# KiCad board keyboard.kicad_pcb (continued)
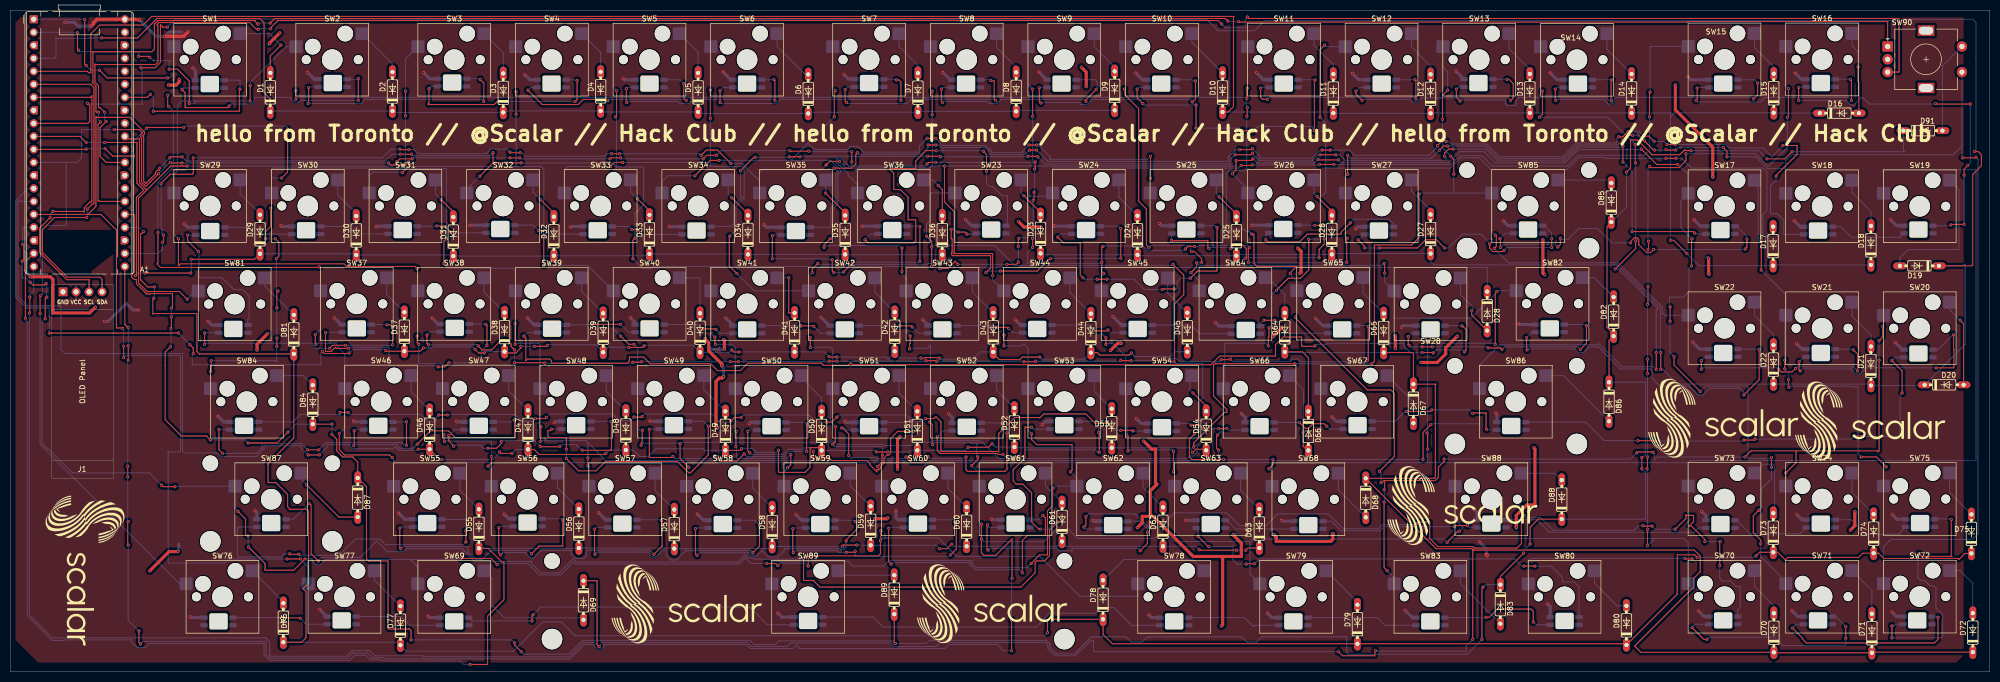
[diagram p0: board, top side]
## Routing (per net, layer and track width the routed paths; a pad name or vN(x,y) marks a point on that pad's centre or on a via; arc(x,y) is an arc through that point) (continued)
  Bottom w0.2: v1(318.43,41.82) 318.58,41.82 319.12,42.37 319.12,56.42 319.03,56.53 D86.1 ; v1(315.43,97.53) 315.43,90.73 D85.1 ; v1(295.33,23.12) 295.33,23.62 v1(296.62,24.93) ; v1(342.83,100.12) 341.23,101.72 v1(328.03,101.72) ; v1(347.73,101.53) 369.73,101.53 369.48,101.78 D91.1 ; v1(62.79,48.37) 62.79,46.34 v1(62.77,46.34) ; v1(78.22,6.22) 97.82,6.22 v1(98.43,5.62) ; v1(46.43,44.66) 45.82,45.26 v1(39.05,45.26) ; v1(318.43,39.62) 319.12,38.93 319.12,29.82 319.09,29.79 D88.1 ; v1(287.23,6.32) 284.33,3.43 261.12,3.43 260.83,3.72 260.83,6.82 244.22,6.82 244.22,6.78 243.27,5.82 241.32,5.82 240.33,6.82 221.92,6.82 220.92,5.82 218.72,5.82 217.73,6.82 211.02,6.82 207.72,3.53 204.12,3.53 202.92,4.72 202.92,5.42 202.22,6.12 202.01,6.12 202.01,6.12 179.42,6.12 178.82,5.53 v1(172.72,5.53) 172.22,6.03 150.03,6.03 149.32,5.32 145.12,5.32 144.32,6.12 111.72,6.12 109.03,3.43 100.22,3.43 v1(99.72,3.93) ; v1(31.45,69.29) 31.48,69.32 v1(31.48,71) ; v1(31.27,63.44) 31.36,63.53 v1(31.36,67.03) ; v1(287.43,16.53) 287.91,17.01 D83.1 ; D84.1 55.73,48.33 v1(54.18,46.78)
S2: length 18
  Bottom w0.2: D91.2 377.1,118.25 SW90.S2
SCL1: length 64.5
  Top w0.2: A1.7 15.63,112.14 15.92,112.42 15.92,91.92 15.79,91.79 15.79,91.66 15.51,91.66 14.43,90.57 14.43,89.72 14.27,89.88 v1(8.33,89.88) ; v1(7.79,88.66) 5.71,86.58 5.71,81.85 11.04,76.53 15.43,76.53 15.38,76.48 J1.3
  Bottom w0.2: v1(7.79,88.66) 7.79,89.34 v1(8.33,89.88)
SDA1: length 68.5
  Top w0.2: A1.6 15.68,114.67 16.32,114.03 16.32,91.33 16.02,91.33 v1(15.02,90.33) ; J1.4 17.92,76.63 17.52,77.03 11.11,77.03 6.27,81.86 6.27,86.29 8.66,88.67 v1(14.93,88.67)
  Bottom w0.2: v1(15.02,90.33) 15.02,88.78 v1(14.93,88.67)
Net-(D1-A): length 15.2
  Top w0.2: D1.2 50.74,120.25 v1(52.82,122.33)
  Bottom w0.2: SW1.2 50.59,124.56 v1(52.82,122.33)
Net-(D2-A): length 9.9
  Bottom w0.2: SW2.2 74.59,118.66 D2.2
Net-(D3-A): length 9.3
  Bottom w0.2: D3.2 96.22,120.84 SW3.2
Net-(D4-A): length 9
  Bottom w0.2: SW4.2 115.23,120.89 D4.2
Net-(D5-A): length 9.2
  Bottom w0.2: D5.2 134.24,120.92 SW5.2
Net-(D6-A): length 10.8
  Bottom w0.2: SW6.2 149.65,122.1 155.15,116.6 D6.2
Net-(D7-A): length 9.2
  Bottom w0.2: SW7.2 173.46,122.09 177.14,118.41 177.14,116.85
Net-(D8-A): length 9.1
  Bottom w0.2: D8.2 196.32,118.03 192.51,121.84 SW8.2
Net-(D9-A): length 9
  Bottom w0.2: D9.2 215.54,118.01 211.56,121.99 SW9.2
Net-(D10-A): length 10.2
  Bottom w0.2: SW10.2 230.61,122.86 D10.2
Net-(D11-A): length 9.5
  Bottom w0.2: SW11.2 254.42,122.33 258.22,118.53 D11.2
Net-(D12-A): length 9.5
  Bottom w0.2: 273.47,124.57 273.47,121.98 277.19,118.26 D12.2
Net-(D13-A): length 9.5
  Bottom w0.2: SW13.2 292.52,121.63 296.57,117.58 D13.2
Net-(D14-A): length 9.9
  Bottom w0.2: SW14.2 311.6,121.52 D14.2
Net-(D15-A): length 9.4
  Bottom w0.2: D15.2 344.17,118.08 340.4,121.85 SW15.2
Net-(D16-A): length 16.1
  Top w0.2: D16.2 360.78,115.07 360.62,115.22 v1(360.62,118.09)
  Bottom w0.2: SW16.2 359.45,122.2 360.62,121.03 v1(360.62,118.09)
Net-(D17-A): length 16.6
  Bottom w0.2: SW17.2 341.12,95.22 341.12,84.38 341.48,84.02 341.97,84.02 344.05,86.1 D17.2
Net-(D18-A): length 10.4
  Bottom w0.2: D18.2 363.13,89.82 359.45,93.5 SW18.2
Net-(D19-A): length 28
  Bottom w0.2: SW19.2 380.33,94.11 380.33,82.42 370.43,82.42 368.79,80.78 D19.2
Net-(D20-A): length 17.2
  Top w0.2: D20.2 381.23,67.92 v1(380.53,68.62)
  Bottom w0.2: SW20.2 378.5,70.65 v1(380.53,68.62)
Net-(D21-A): length 10.2
  Bottom w0.2: D21.2 363.13,65.72 359.43,69.43 359.45,69.45 SW21.2
Net-(D22-A): length 9.9
  Bottom w0.2: D22.2 344.12,65.83 340.4,69.55 SW22.2
Net-(D23-A): length 8.3
  Top w0.2: v1(197.82,92.92) 201.07,89.68 D23.2
  Bottom w0.2: v1(197.82,92.92) 197.29,93.46 SW23.2
Net-(D24-A): length 8.5
  Bottom w0.2: D24.2 216.34,92.66 216.34,96
Net-(D25-A): length 8.8
  Top w0.2: D25.2 239.29,89.36 v1(235.92,92.72)
  Bottom w0.2: v1(235.92,92.72) 235.39,93.26 SW25.2
Net-(D26-A): length 8.4
  Top w0.2: v1(255.07,92.75) 257.92,89.9 D26.2
  Bottom w0.2: v1(255.07,92.75) 254.44,93.37 SW26.2
Net-(D27-A): length 8.3
  Bottom w0.2: SW27.2 273.49,93.81 277.2,90.11 D27.2
Net-(D28-A): length 12.8
  Top w0.2: D28.2 285.23,69.61 v1(285.23,70.53)
  Bottom w0.2: v1(285.23,70.53) 285.23,70.62 285.62,71.03 283.03,73.62 SW28.2
Net-(D29-A): length 8.4
  Bottom w0.2: SW29.2 44.87,93.28 48.74,89.41 48.74,89.21
Net-(D30-A): length 8.5
  Bottom w0.2: SW30.2 63.92,93.13 67.52,89.53 D30.2
Net-(D31-A): length 8.7
  Top w0.2: D31.2 86.47,89.78 v1(84.12,92.12)
  Bottom w0.2: SW31.2 82.97,93.28 v1(84.12,92.12)
Net-(D32-A): length 8.9
  Top w0.2: D32.2 106.09,89.56 v1(103.43,92.22)
  Bottom w0.2: SW32.2 102.02,93.63 v1(103.43,92.22)
Net-(D33-A): length 8.4
  Top w0.2: D33.2 124.75,90 v1(122.42,92.33)
  Bottom w0.2: SW33.2 121.07,93.68 v1(122.42,92.33)
Net-(D34-A): length 8.5
  Top w0.2: v1(140.82,92.53) 143.97,89.38 D34.2
  Bottom w0.2: v1(140.82,92.53) 140.12,93.23 SW34.2
Net-(D35-A): length 8.5
  Top w0.2: D35.2 162.94,89.61 v1(159.12,93.42)
  Bottom w0.2: v1(159.12,93.42) 159.17,93.47 SW35.2
Net-(D36-A): length 9.5
  Top w0.2: v1(181.12,94.92) 181.89,94.16 D36.2
  Bottom w0.2: SW36.2 180.04,96 v1(181.12,94.92)
Net-(D37-A): length 8.1
  Bottom w0.2: SW37.2 73.47,73.64 D37.2
Net-(D38-A): length 8.4
  Bottom w0.2: D38.2 92.46,74.12 SW38.2
Net-(D39-A): length 8.7
  Bottom w0.2: SW39.2 111.51,74.24 115.72,70.03 D39.2
Net-(D40-A): length 10.8
  Bottom w0.2: SW40.2 134.45,76.89 134.62,76.72 134.62,76.72 D40.2
Net-(D41-A): length 10.4
  Top w0.2: v1(151.92,76.92) 151.92,70.12 151.86,70.06 D41.2
  Bottom w0.2: v1(151.92,76.92) 151.89,76.89 SW41.2
Net-(D42-A): length 8.3
  Bottom w0.2: D42.2 168.72,74.09 SW42.2
Net-(D43-A): length 8.5
  Bottom w0.2: SW43.2 187.77,74.14 D43.2
Net-(D44-A): length 8.7
  Bottom w0.2: D44.2 206.82,73.99 SW44.2
Net-(D45-A): length 8.4
  Bottom w0.2: SW45.2 225.87,73.94 D45.2
Net-(D46-A): length 8.3
  Bottom w0.2: SW46.2 78.22,54.68 D46.2
Net-(D47-A): length 8.4
  Bottom w0.2: D47.2 97.27,54.81 SW47.2
Net-(D48-A): length 8.5
  Bottom w0.2: SW48.2 116.31,54.74 D48.2
Net-(D49-A): length 8.7
  Bottom w0.2: D49.2 135.36,55.04 SW49.2
Net-(D50-A): length 8.6
  Bottom w0.2: SW50.2 154.41,57.34 158.34,53.41 D50.2
Net-(D51-A): length 8.4
  Bottom w0.2: 173.46,57.81 173.46,54.39 D51.2
Net-(D52-A): length 7.8
  Bottom w0.2: D52.2 192.51,54.94 SW52.2
Net-(D53-A): length 7.9
  Bottom w0.2: 211.56,57.81 211.56,54.74 D53.2
Net-(D54-A): length 8.4
  Top w0.2: v1(230.82,54.43) 233.39,51.85 D54.2
  Bottom w0.2: v1(230.82,54.43) 230.24,55.01 230.24,57.43 SW54.2
Net-(D55-A): length 8.6
  Bottom w0.2: D55.2 87.75,35.43 SW55.2
Net-(D56-A): length 8.7
  Bottom w0.2: D56.2 106.8,35.93 SW56.2
Net-(D57-A): length 8.6
  Bottom w0.2: SW57.2 125.85,35.4 D57.2
Net-(D58-A): length 8.3
  Bottom w0.2: 144.9,38.75 144.9,35.85 D58.2
Net-(D59-A): length 8.1
  Bottom w0.2: D59.2 163.94,36.29 SW59.2
Net-(D60-A): length 8.2
  Bottom w0.2: D60.2 182.99,35.77 SW60.2
Net-(D61-A): length 7
  Bottom w0.2: D61.2 202.04,36.29 SW61.2
Net-(D62-A): length 8.3
  Bottom w0.2: D62.2 221.09,35.99 SW62.2
Net-(D63-A): length 8.5
  Bottom w0.2: D63.2 240.14,35.39 SW63.2
Net-(D64-A): length 8.7
  Bottom w0.2: D64.2 248.74,73.65 245.48,76.92 SW64.2
Net-(D65-A): length 8.7
  Bottom w0.2: D65.2 264.02,73.96 SW65.2
Net-(D66-A): length 16.3
  Top w0.2: v1(252.33,46.72) 252.33,44.03 253.15,43.2 D66.2
  Bottom w0.2: v1(252.33,46.72) 252.38,46.78 252.38,55.08 SW66.2
Net-(D67-A): length 11.4
  Bottom w0.2: 268.71,57.81 273.85,52.67 D67.2
Net-(D68-A): length 10.8
  Bottom w0.2: D68.2 259.19,35.5 SW68.2
Net-(D69-A): length 26.4
  Bottom w0.2: D69.2 111.49,10.53 96.42,10.53 94.03,12.93 94.03,18.18 SW69.2
Net-(D70-A): length 9.9
  Bottom w0.2: SW70.2 340.4,16.65 344.2,12.85 D70.2
Net-(D71-A): length 10
  Bottom w0.2: SW71.2 363.32,15.87 D71.2
Net-(D72-A): length 11.3
  Bottom w0.2: SW72.2 380.5,19.75 383.02,17.23 D72.2
Net-(D73-A): length 14.1
  Bottom w0.2: D73.2 344.33,31.19 344.33,40.17 343.97,40.53 342.14,40.53 340.4,38.79
Net-(D74-A): length 9.8
  Bottom w0.2: D74.2 359.45,34.99 359.45,38.79
Net-(D75-A): length 9.8
  Bottom w0.2: D75.2 378.5,34.96 SW75.2
Net-(D76-A): length 8.7
  Bottom w0.2: SW76.2 53.04,13.92 53.04,13.38
Net-(D77-A): length 9
  Bottom w0.2: SW77.2 71.07,17.89 D77.2
Net-(D78-A): length 22.3
  Bottom w0.2: SW78.2 230.77,21.93 217.34,21.93 D78.2
Net-(D79-A): length 9.2
  Bottom w0.2: D79.2 262.92,13.59 SW79.2
Net-(D80-A): length 10.5
  Bottom w0.2: SW80.2 309.19,17.26 313.59,12.86 D80.2
Net-(D81-A): length 9.6
  Bottom w0.2: D81.2 49.64,75.37 SW81.2
Net-(D82-A): length 7.6
  Bottom w0.2: SW82.2 309.13,76.92 D82.2
Net-(D83-A): length 13.6
  Bottom w0.2: D83.2 283,17.21 SW83.2
Net-(D84-A): length 7.8
  Bottom w0.2: SW84.2 57.19,57.81 D84.2
Net-(D85-A): length 10.6
  Bottom w0.2: SW85.2 311.88,95.98 D85.2
Net-(D86-A): length 16
  Bottom w0.2: D86.2 303.12,57.81 SW86.2
Net-(D87-A): length 15.3
  Top w0.2: v1(57.82,36.53) 64.16,30.19 D87.2
  Bottom w0.2: v1(57.82,36.53) 56.78,37.57 SW87.2
Net-(D88-A): length 8.4
  Bottom w0.2: SW88.2 301.45,38.75 D88.2
Net-(D89-A): length 11.3
  Bottom w0.2: SW89.2 162.4,18.86 D89.2
Net-(LED1-DOUT): length 49.3
  Top w0.2: v1(67.93,111.53) v1(67.93,115.83) 68.12,115.83 ; v1(33.52,113.62) 34.12,113.03 34.12,110.12 42.43,110.12 v1(42.73,110.42)
  Bottom w0.2: v1(42.73,110.42) 43.12,110.83 47.07,110.83 47.63,111.38 47.63,112.12 54.82,112.12 54.82,111.78 55.48,111.12 56.23,111.12 56.82,111.72 57.02,111.53 v1(67.93,111.53) ; v1(67.93,115.83) 67.77,115.67 LED2.4 ; LED1.2 33.88,113.97 v1(33.52,113.62)
Net-(LED2-DOUT): length 47.2
  Top w0.2: v1(91.72,115.62) 92.43,114.92 v1(92.43,111.33) ; v1(58.23,114.03) 58.23,111.03 v1(58.13,110.92)
  Bottom w0.2: LED3.4 91.59,115.77 v1(91.72,115.62) ; v1(58.13,110.92) 68.43,110.92 69.22,111.72 92.03,111.72 v1(92.43,111.33) ; v1(58.23,114.03) 58.37,114.17 LED2.2
Net-(LED3-DOUT): length 40.5
  Top w0.2: v1(96.82,111.33) 95.03,111.33 94.42,110.72 81.63,110.72 81.53,110.83 81.72,111.03 v1(81.72,113.83) ; v1(110.22,111.33) 110.62,111.72 v1(110.62,115.42)
  Bottom w0.2: v1(110.62,115.42) 110.12,115.42 109.98,115.56 LED4.4 ; v1(96.82,111.33) v1(110.22,111.33) ; LED3.2 82.16,114.27 v1(81.72,113.83)
Net-(LED4-DOUT): length 42.4
  Top w0.2: v1(131.42,114.83) 131.42,112.03 v1(131.92,111.53) ; v1(101.03,113.53) 103.83,110.72 110.82,110.72 111.82,111.72 116.42,111.72 v1(116.62,111.53)
  Bottom w0.2: LED5.4 130.69,115.56 v1(131.42,114.83) ; v1(101.03,113.53) 101.56,114.06 LED4.2 ; v1(131.92,111.53) 131.73,111.72 116.82,111.72 v1(116.62,111.53)
Net-(LED5-DOUT): length 40.8
  Top w0.2: v1(120.22,113.83) 120.22,111.22 v1(120.32,111.12) ; v1(149.22,111.53) 149.22,115.42 v1(149.03,115.62)
  Bottom w0.2: v1(120.22,113.83) 120.47,114.06 LED5.2 ; v1(120.32,111.12) 120.52,111.32 130.32,111.32 130.72,110.92 132.42,110.92 133.22,111.72 149.03,111.72 v1(149.22,111.53) ; LED6.4 148.97,115.56 v1(149.03,115.62)
Net-(LED6-DOUT): length 48.2
  Top w0.2: v1(138.53,113.42) v1(138.53,111.12) ; v1(173.82,111.53) 173.82,115.12 173.42,115.53 v1(172.92,115.53)
  Bottom w0.2: v1(173.82,111.53) 173.62,111.72 150.12,111.72 150.12,111.58 149.47,110.92 138.73,110.92 v1(138.53,111.12) ; v1(172.92,115.53) 172.78,115.67 LED7.4 ; LED6.2 139.16,114.06 v1(138.53,113.42)
Net-(LED7-DOUT): length 41
  Top w0.2: v1(163.22,111.12) 162.92,111.42 v1(162.92,113.62) ; v1(192.32,111.53) 192.03,111.83 192.03,115.33 191.42,115.33 v1(191.32,115.42)
  Bottom w0.2: v1(191.32,115.42) 191.19,115.56 LED8.4 ; v1(162.92,113.62) 163.47,114.17 LED7.2 ; v1(163.22,111.12) 163.43,110.92 175.02,110.92 175.82,111.72 192.13,111.72 v1(192.32,111.53)
Net-(LED8-DOUT): length 42.8
  Top w0.2: v1(181.92,111.12) 181.72,111.32 v1(181.72,113.72) ; v1(209.92,111.33) 209.92,111.62 v1(211.92,113.62)
  Bottom w0.2: v1(181.92,111.12) 182.12,111.32 190.72,111.32 191.12,110.92 192.57,110.92 193.22,111.58 193.22,111.72 209.53,111.72 v1(209.92,111.33) ; v1(181.72,113.72) 182.06,114.06 LED8.2 ; LED9.4 211.78,115.56 212.12,115.22 212.12,113.83 v1(211.92,113.62)
Net-(LED10-DIN): length 43.6
  Top w0.2: v1(230.72,111.22) 231.32,111.83 v1(231.32,115.33) ; v1(201.12,111.03) 200.82,111.33 v1(200.82,114.03)
  Bottom w0.2: v1(230.72,111.22) 230.23,111.72 210.92,111.72 210.82,111.62 210.82,111.38 210.17,110.72 208.93,110.72 208.53,111.12 201.22,111.12 v1(201.12,111.03) ; LED9.2 200.86,114.06 v1(200.82,114.03) ; v1(231.32,115.33) 230.82,115.33 230.59,115.56 LED10.4
Net-(LED10-DOUT): length 57.9
  Top w0.2: v1(219.92,113.72) 219.92,112.03 v1(221.03,110.92) ; v1(254.53,105.62) 254.53,115.42 v1(254.62,115.53) ; v1(231.42,110.62) v1(231.42,106.12) ; v1(240.42,105.62) 242.22,105.62 v1(242.42,105.42)
  Bottom w0.2: v1(231.42,106.12) 239.92,106.12 v1(240.42,105.62) ; v1(231.42,110.62) 221.33,110.62 v1(221.03,110.92) ; LED11.4 254.59,115.56 v1(254.62,115.53) ; v1(242.42,105.42) 243.42,106.42 254.12,106.42 254.12,106.03 v1(254.53,105.62) ; LED10.2 220.26,114.06 v1(219.92,113.72)
Net-(LED11-DOUT): length 42
  Top w0.2: v1(274.33,111.83) 274.33,115.42 v1(274.12,115.62) ; v1(245.33,111.72) 245.28,111.78 244.47,111.78 244.42,111.72 244.03,112.12 v1(244.03,113.92)
  Bottom w0.2: v1(274.12,115.62) 274.06,115.56 LED12.4 ; v1(245.33,111.72) 245.72,112.12 274.03,112.12 v1(274.33,111.83) ; v1(244.03,113.92) 244.16,114.06 LED11.2
Net-(LED12-DOUT): length 42.6
  Top w0.2: v1(263.83,111.52) 262.62,112.72 v1(262.62,113.33) ; v1(292.83,111.53) 293.33,112.03 293.33,114.83 292.53,115.62 v1(292.12,115.62)
  Bottom w0.2: v1(292.83,111.53) 292.33,112.03 275.23,112.03 275.23,111.88 274.57,111.22 273.72,111.22 273.23,111.72 264.02,111.72 v1(263.83,111.52) ; v1(292.12,115.62) 292.09,115.67 LED13.4 ; v1(262.62,113.33) 263.37,114.06 LED12.2
Net-(LED13-DOUT): length 44.4
  Top w0.2: v1(282.23,113.72) 282.23,112.12 v1(282.93,111.42) ; v1(312.53,111.42) 312.43,111.53 312.43,115.42 v1(312.53,115.53)
  Bottom w0.2: LED13.2 282.67,114.17 v1(282.23,113.72) ; v1(282.93,111.42) 283.12,111.62 291.83,111.62 291.83,110.83 292.12,110.53 293.83,110.53 293.83,111.53 294.42,112.12 311.43,112.12 312.12,111.42 v1(312.53,111.42) ; v1(312.53,115.53) 312.49,115.56 LED14.4
Net-(LED14-DOUT): length 51.8
  Top w0.2: v1(301.62,111.52) 301.53,111.62 v1(301.53,113.72) ; v1(340.23,111.83) 341.03,112.62 v1(341.03,114.92)
  Bottom w0.2: LED14.2 301.87,114.06 v1(301.53,113.72) ; LED15.4 340.39,115.56 v1(341.03,114.92) ; v1(301.62,111.52) 301.82,111.72 311.03,111.72 311.92,110.82 312.77,110.82 313.12,111.18 313.12,112.03 313.23,112.03 313.32,112.12 339.93,112.12 v1(340.23,111.83)
Net-(LED15-DOUT): length 43
  Top w0.2: v1(329.23,113.92) 329.23,111.72 v1(329.03,111.52) ; v1(359.33,111.53) 359.33,115.42 v1(359.12,115.62)
  Bottom w0.2: v1(329.23,113.92) 329.37,114.06 LED15.2 ; v1(359.33,111.53) 358.73,112.12 342.42,112.12 341.52,111.22 329.33,111.22 v1(329.03,111.52) ; v1(359.12,115.62) 359.09,115.67 LED16.4
Net-(LED16-DOUT): length 69.4
  Top w0.2: v1(381.33,96.92) 381.33,98.12 v1(382.03,98.83) ; v1(378.73,87.22) 378.83,87.33 v1(381.33,87.33) ; v1(375.73,110.92) 375.83,110.83 v1(382.53,110.83) ; v1(349.03,114.03) v1(349.03,111.52)
  Bottom w0.2: v1(382.53,110.83) 382.53,99.33 v1(382.03,98.83) ; LED17.4 378.58,87.08 v1(378.73,87.22) ; LED16.2 349.17,114.17 v1(349.03,114.03) ; v1(381.33,96.92) v1(381.33,87.33) ; v1(375.73,110.92) 375.62,110.83 362.83,110.83 361.62,112.03 361.23,112.03 359.83,110.62 359.23,110.62 358.23,111.62 358.12,111.52 v1(349.03,111.52)
Net-(LED17-DOUT): length 15.2
  Bottom w0.2: LED17.2 368.86,84.83 359.33,84.83 357.28,86.88 LED18.4
Net-(LED18-DOUT): length 247.6
  Top w0.2: v1(344.62,96.72) 344.62,96.92 348.73,101.03 348.73,102.72 v1(345.93,102.72) ; v1(198.92,101.83) v1(200.32,101.83) ; v1(278.53,102.72) 279.33,103.53 v1(280.23,103.53) ; v1(323.33,102.92) v1(324.93,102.92) ; v1(239.92,101.92) 242.22,101.92 v1(242.42,102.12) ; v1(313.93,104.42) 314.73,104.42 v1(315.73,105.42) ; v1(320.83,103.53) 319.8,104.55 v1(318.85,104.55) ; v1(179.12,102.83) v1(180.62,102.83) ; v1(160.8,98.3) 164.2,98.3 165.03,99.12 165.03,101.03 v1(165.32,101.33) ; v1(256.03,101.83) v1(257.62,101.83)
  Bottom w0.2: v1(242.42,102.12) 243.84,100.71 243.84,100.23 254.01,100.23 255.61,101.83 v1(256.03,101.83) ; LED18.2 346.12,85.38 346.12,88.12 344.83,89.42 343.53,89.42 343.53,94.83 344.62,95.92 v1(344.62,96.72) ; v1(324.93,102.92) 334.73,102.92 335.43,102.22 342.12,102.22 343.83,100.53 345.93,102.62 v1(345.93,102.72) ; v1(280.23,103.53) 280.73,103.53 281.22,103.03 288.16,103.03 290.66,100.53 302.93,100.53 305.63,103.23 313.53,103.23 313.53,104.03 v1(313.93,104.42) ; v1(198.92,101.83) 198.82,101.83 197.92,100.93 191.32,100.93 191.22,101.03 191.03,101.03 191.03,101.53 190.22,102.33 182.22,102.33 182.03,102.12 181.32,102.83 v1(180.62,102.83) ; v1(315.73,105.42) 317.97,105.42 v1(318.85,104.55) ; v1(320.83,103.53) 322.73,103.53 v1(323.33,102.92) ; v1(200.32,101.83) 202.32,99.83 202.32,99.62 237.62,99.62 237.72,99.72 237.72,100.47 239.18,101.92 v1(239.92,101.92) ; v1(160.8,98.3) 161.38,97.72 161.66,97.72 161.12,97.19 161.12,91.53 160.12,90.53 160.12,86.92 159.97,86.78 LED27.4 ; v1(257.62,101.83) 261.33,101.83 262.33,100.83 276.93,100.83 278.53,102.42 v1(278.53,102.72) ; v1(179.12,102.83) 179.13,102.82 179.13,102.33 177.83,101.03 165.62,101.03 v1(165.32,101.33)
Net-(LED19-DIN): length 65
  Top w0.2: v1(320.73,82.42) 320.12,81.82 319.38,81.82 317.83,83.37 317.83,84.37 317.47,84.73 316.98,84.73 316.23,83.97 v1(316.23,83.72) ; v1(290.83,82.83) 290.83,84.42 v1(290.73,84.53) ; v1(338.62,82.53) 338.93,82.83 v1(338.93,84.42) ; v1(302.53,84.62) 302.53,83.42 v1(302.03,82.92)
  Bottom w0.2: v1(338.93,84.42) 338.93,84.95 336.91,86.97 LED19.4 ; v1(338.62,82.53) 338.53,82.42 v1(320.73,82.42) ; v1(302.53,84.62) 302.73,84.42 304.03,84.42 306.13,86.53 309.79,86.53 312.59,83.72 v1(316.23,83.72) ; LED20.2 291.78,85.58 v1(290.73,84.53) ; v1(302.03,82.92) 301.53,83.42 291.43,83.42 v1(290.83,82.83)
Net-(LED19-DOUT): length 229.4
  Top w0.2: v1(316.53,85.92) 328.43,85.92 v1(328.73,85.62) ; v1(152.03,100.53) v1(154.12,100.53) ; v1(142.53,97.83) 145.12,100.42 v1(145.42,100.42) ; v1(181.53,100.53) 181.42,100.62 v1(179.03,100.62) ; v1(200.53,100.53) 200.42,100.62 v1(198.62,100.62) ; v1(281.62,102.03) 280.73,102.03 279.93,101.22 v1(279.93,100.62) ; v1(239.03,100.92) 242.12,100.92 v1(242.42,101.22) ; v1(314.73,102.62) v1(314.73,99.53) ; v1(255.62,100.92) v1(258.73,100.92)
  Bottom w0.2: v1(279.93,100.62) 280.23,100.33 280.23,99.83 260.52,99.83 259.43,100.92 v1(258.73,100.92) ; v1(316.53,85.92) 316.53,97.72 v1(314.73,99.53) ; v1(198.62,100.62) 198.53,100.53 v1(181.53,100.53) ; LED19.2 328.88,85.47 v1(328.73,85.62) ; v1(239.03,100.92) 238.12,100.03 238.12,99.13 201.92,99.13 v1(200.53,100.53) ; v1(142.53,97.83) 142.53,92.92 142.82,92.62 141.22,91.03 141.22,87.52 140.62,86.92 136.79,86.92 LED28.4 ; v1(314.73,102.62) 314.53,102.42 305.96,102.42 303.26,99.73 290.32,99.73 288.03,102.03 v1(281.62,102.03) ; v1(152.03,100.53) 151.92,100.42 v1(145.42,100.42) ; v1(154.12,100.53) 154.23,100.63 179.02,100.63 v1(179.03,100.62) ; v1(242.42,101.22) 242.42,101.07 243.67,99.83 244.83,99.83 244.92,99.73 254.22,99.73 254.22,99.87 255.28,100.92 v1(255.62,100.92)
Net-(LED20-DIN): length 50.3
  Top w0.2: v1(300.83,84.53) v1(300.83,82.83) ; v1(264.33,82.72) 264.33,83.03 v1(263.03,84.33) ; v1(279.93,82.72) 278.33,84.33 276.23,84.33 274.62,82.72 v1(267.23,82.72) ; v1(291.53,82.22) 291.32,82.02 289.38,82.02 288.73,82.68 v1(288.73,83.53)
  Bottom w0.2: v1(279.93,82.72) 280.69,82.72 283.39,85.42 287.03,85.42 288.73,83.72 v1(288.73,83.53) ; v1(300.83,84.53) 300.83,85.62 299.37,87.08 LED20.4 ; v1(263.03,84.33) 263.26,84.33 LED21.2 ; v1(291.53,82.22) 292.12,82.83 v1(300.83,82.83) ; v1(267.23,82.72) v1(264.33,82.72)
Net-(LED21-DIN): length 29.7
  Top w0.2: v1(245.03,84.33) 245.42,83.92 251.62,83.92 253.12,85.42 259.73,85.42 259.73,85.83 v1(261.53,87.62)
  Bottom w0.2: LED21.4 269.91,87.48 269.07,88.33 262.23,88.33 v1(261.53,87.62) ; v1(245.03,84.33) 245.03,85.06 LED22.2
Net-(LED22-DIN): length 46.8
  Top w0.2: v1(238.12,82.62) 238.92,83.42 240.43,83.42 241.03,82.83 241.22,82.62 241.22,80.86 v1(241.03,80.66) ; v1(256.43,84.53) 256.43,83.42 255.42,82.42 v1(255.42,80.83) ; v1(233.92,82.62) 233.72,82.82 233.72,84.22 233.62,84.12 226.73,84.12 v1(226.62,84.22) ; v1(254.62,87.12) v1(256.43,87.12)
  Bottom w0.2: LED22.4 254.58,87.17 v1(254.62,87.12) ; v1(233.92,82.62) 234.12,82.82 237.93,82.82 v1(238.12,82.62) ; v1(226.62,84.22) 226.62,85.45 LED23.2 ; v1(255.42,80.83) 241.19,80.83 v1(241.03,80.66) ; v1(256.43,87.12) v1(256.43,84.53)
Net-(LED23-DIN): length 56
  Top w0.2: v1(224.82,74.62) 224.92,74.72 v1(227.12,74.72) ; v1(230.32,76.83) 231.72,78.22 235.42,78.22 235.53,78.33 v1(235.53,86.72) ; v1(209.32,76.92) 208.82,77.42 208.82,83.72 205.53,83.72 v1(204.42,84.83) ; v1(214.03,76.62) v1(212.12,76.62)
  Bottom w0.2: v1(230.32,76.83) 228.42,76.83 227.72,76.12 227.72,74.83 227.62,74.72 v1(227.12,74.72) ; v1(209.32,76.92) 209.62,76.62 v1(212.12,76.62) ; LED24.2 205.07,85.47 v1(204.42,84.83) ; LED23.4 235.17,87.08 v1(235.53,86.72) ; v1(224.82,74.62) 221.32,74.62 219.32,76.62 v1(214.03,76.62)
Net-(LED24-DIN): length 59.3
  Top w0.2: v1(183.62,86.36) 183.62,84.62 183.82,84.43 183.82,81.92 183.72,81.83 183.72,81.43 183.92,81.22 191.32,81.22 191.32,78.83 v1(190.42,77.92) ; v1(193.22,78.22) 200.42,78.22 202.82,80.62 v1(203.03,80.62) ; v1(186.72,85.42) 186.32,85.83 v1(185.03,85.83) ; v1(216.72,86.53) v1(216.72,80.72)
  Bottom w0.2: v1(190.42,77.92) 190.72,78.22 v1(193.22,78.22) ; LED24.4 216.28,86.97 v1(216.72,86.53) ; LED25.2 188.5,85.42 v1(186.72,85.42) ; v1(203.03,80.62) 203.12,80.72 v1(216.72,80.72) ; v1(185.03,85.83) 184.72,85.83 184.19,86.36 v1(183.62,86.36)
Net-(LED25-DIN): length 69.6
  Top w0.2: v1(190.53,97.72) 190.53,101.03 v1(189.92,101.62) ; v1(166.82,84.33) 167.42,83.72 176.32,83.72 176.72,84.12 176.72,88.22 175.22,88.22 175.22,92.42 175.32,92.53 173.72,94.12 172.42,94.12 172.42,97.33 171.62,98.12 171.72,98.22 176.72,98.22 176.72,99.72 178.82,101.83 178.92,101.72 v1(180.72,101.72)
  Bottom w0.2: LED25.4 194.62,87.45 194.62,92.92 193.53,92.92 191.72,94.72 191.12,94.72 190.53,95.33 v1(190.53,97.72) ; LED26.2 167.97,85.47 v1(166.82,84.33) ; v1(180.72,101.72) 189.82,101.72 v1(189.92,101.62)
Net-(LED26-DIN): length 48.4
  Top w0.2: v1(160.72,77.92) 160.42,78.22 v1(160.42,80.42) ; v1(148.72,85.12) v1(148.72,80.62) ; v1(177.53,80.13) v1(177.53,86.92) ; v1(164.32,80.13) 164.32,79.72 v1(162.62,78.03)
  Bottom w0.2: v1(162.62,78.03) 162.53,77.92 v1(160.72,77.92) ; LED26.4 177.47,86.97 v1(177.53,86.92) ; v1(148.72,85.12) 148.88,85.28 LED27.2 ; v1(177.53,80.13) 177.33,79.93 164.62,79.93 164.42,80.13 v1(164.32,80.13) ; v1(160.42,80.42) 160.03,80.42 159.92,80.33 159.62,80.62 v1(148.72,80.62)
Net-(LED28-DOUT): length 14.3
  Top w0.2: v1(123.03,85.72) 122.42,86.33 v1(121.32,86.33)
  Bottom w0.2: v1(121.32,86.33) 120.72,86.92 LED29.4 ; LED28.2 123.38,85.38 v1(123.03,85.72)
Net-(LED29-DOUT): length 14.1
  Top w0.2: v1(104.82,86.03) 104.72,86.12 v1(103.12,86.12)
  Bottom w0.2: LED30.4 102.07,87.17 v1(103.12,86.12) ; LED29.2 105.43,85.42 v1(104.82,86.03)
Net-(LED30-DOUT): length 14
  Top w0.2: v1(83.22,87.03) 84.72,87.03 v1(85.93,85.83)
  Bottom w0.2: LED31.4 83.18,86.97 v1(83.22,87.03) ; v1(85.93,85.83) 86.07,85.67 LED30.2
Net-(LED31-DOUT): length 14
  Bottom w0.2: LED32.4 65.72,86.92 67.43,85.22 67.68,85.47 LED31.2
Net-(LED32-DOUT): length 13.8
  Bottom w0.2: LED32.2 47.82,85.42 47.73,85.33 46.27,86.78 LED33.4
Net-(LED33-DOUT): length 27.9
  Top w0.2: v1(34.62,85.22) 34.62,84.12 v1(36.73,82.03)
  Bottom w0.2: LED33.2 36.18,85.22 v1(34.62,85.22) ; LED34.4 46.35,68.75 46.63,69.03 46.63,73.33 45.32,74.62 43.62,74.62 41.33,76.92 36.83,76.92 36.83,81.92 v1(36.73,82.03)
Net-(LED34-DOUT): length 50.7
  Top w0.2: v1(74.62,63.82) 74.62,67.32 74.22,67.72 v1(73.53,67.72) ; v1(37.93,66.12) v1(37.93,63.92) ; v1(62.32,63.12) 62.93,63.72 v1(65.43,63.72)
  Bottom w0.2: LED34.2 37.98,66.18 v1(37.93,66.12) ; v1(62.32,63.12) 59.57,63.12 59.02,63.67 59.02,64.12 38.12,64.12 v1(37.93,63.92) ; v1(65.43,63.72) 74.53,63.72 v1(74.62,63.82) ; v1(73.53,67.72) 73.47,67.78 LED35.4
Net-(LED35-DOUT): length 53
  Top w0.2: v1(66.03,63.12) 63.62,63.12 63.43,63.32 62.63,62.52 61.63,62.52 61.52,62.62 v1(61.52,66.22) ; v1(93.03,63.72) 93.03,67.62 v1(92.82,67.82) ; v1(83.53,59.53) 84.82,59.53 v1(85.62,60.32)
  Bottom w0.2: v1(92.82,67.82) 92.78,67.88 LED36.4 ; v1(66.03,63.12) 66.22,63.32 73.72,63.32 73.93,63.12 73.93,59.93 74.12,59.72 83.32,59.72 v1(83.53,59.53) ; v1(93.03,63.72) 91.93,62.62 91.93,60.32 v1(85.62,60.32) ; v1(61.52,66.22) 61.57,66.28 LED35.2
